# Altium PCB VC_NRF5340.PcbDoc (part 1 of 2) (continued)
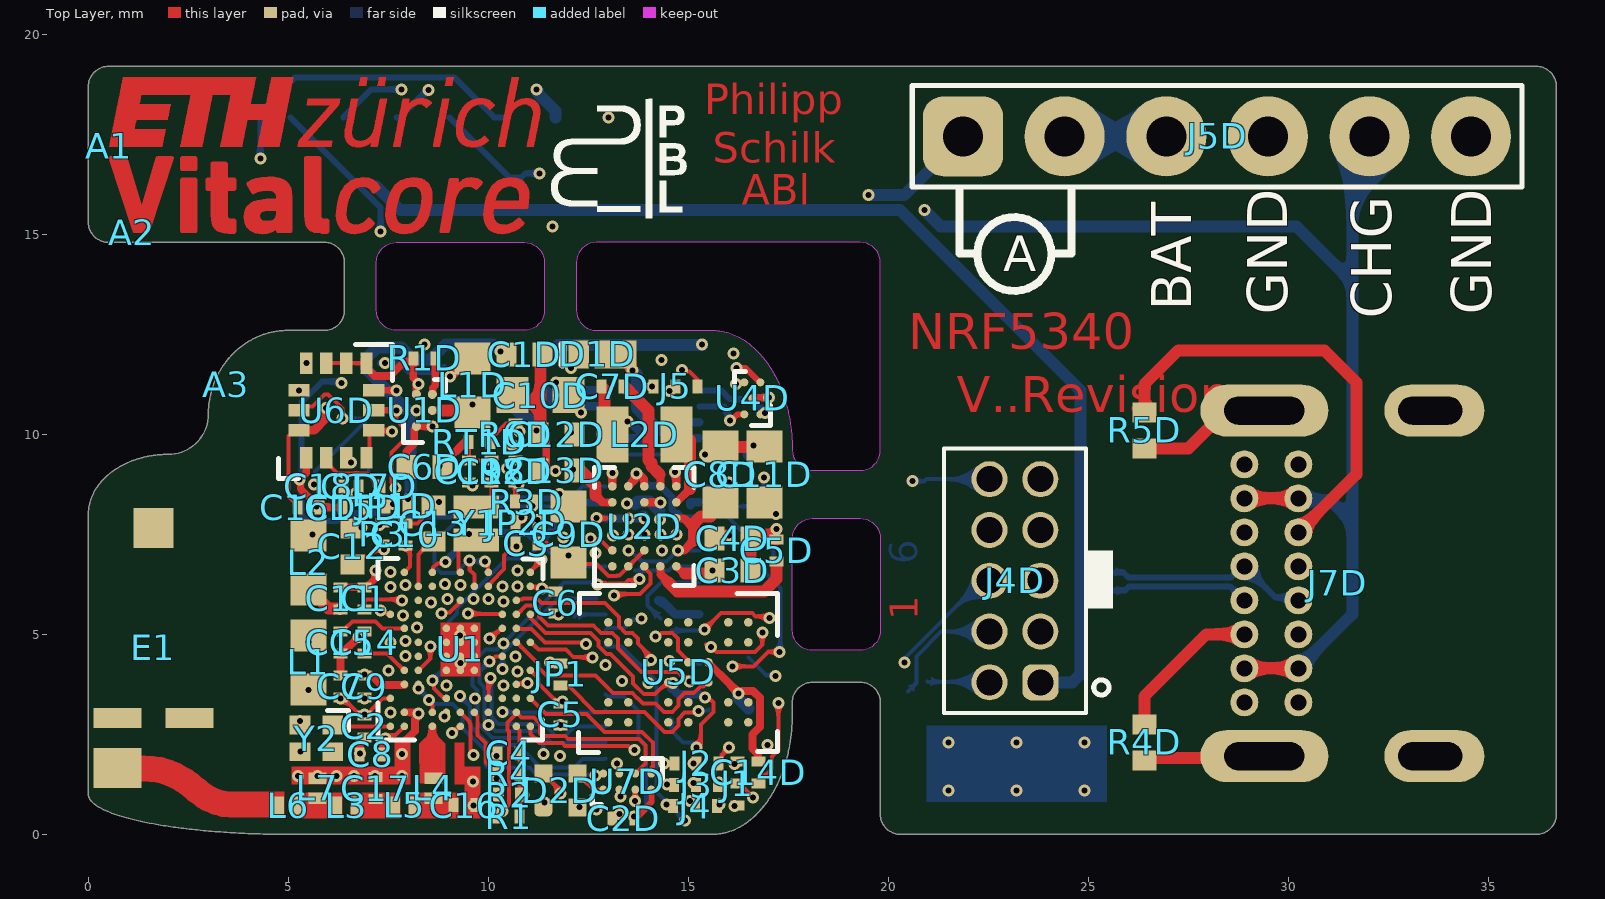
[diagram p0: Top Layer view]
## Footprints (in the part's own frame and the unit in brackets; to place one, negate y for a bottom-side part, rotate by r counter-clockwise, add the part's x,y. Pads: shape width x height; smd on the part's side, far side on the other; paste and mask are expansions set on the pad)
CAP_0201 [mm]
  rect 0.25x0.35 smd: 1(-0.275,0) 2(0.275,0)
  body extent -0.3,-0.15 0.3,0.15, height 0.3
CAP_0201_DNP [mm]
  rect 0.25x0.35 smd: 1(-0.275,0) 2(0.275,0)
  body extent -0.3,-0.15 0.3,0.15, height 0.3
CAP_0402 [mm] "Chip Capacitor, 2-Leads, Body 1.02x0.51mm, IPC Medium Density"
  rect 0.5x0.6 smd: 1(-0.45,0) 2(0.45,0)
  body extent -0.5,-0.26 0.5,0.26, height 0.52
CAP_0603 [mm] "Chip Capacitor, 2-Leads, Body 1.60x0.80mm, IPC Medium Density"
  rect 0.8x0.9 smd: 1(-0.7,0) 2(0.7,0)
  body extent -0.8,-0.42 0.8,0.4, height 0.82
CONN_COMBI_50P [mm] "50Pin 0.4mm pitch connector footprint that accepts (male) connectors intended for different stacking heights:  Hirose - DF40C-50DP-0.4V(51) for 1.5mm - 3mm stacking height , JAE - WP7B-P050VA1-R8000 - for 0.7mm stacking height"
  rect 1.035x0.22 smd: 1(1.175,4.8) 2(1.175,4.4) 3(1.175,4) 4(1.175,3.6) 5(1.175,3.2) 6(1.175,2.8) 7(1.175,2.4) 8(1.175,2) 9(1.175,1.6) 10(1.175,1.2) 11(1.175,0.8) 12(1.175,0.4) 13(1.175,0) 14(1.175,-0.4) 15(1.175,-0.8) 16(1.175,-1.2) 17(1.175,-1.6) 18(1.175,-2) 19(1.175,-2.4) 20(1.175,-2.8) 21(1.175,-3.2) 22(1.175,-3.6) 23(1.175,-4) 24(1.175,-4.4) 25(1.175,-4.8) 26(-1.175,-4.8) 27(-1.175,-4.4) 28(-1.175,-4) 29(-1.175,-3.6) 30(-1.175,-3.2) 31(-1.175,-2.8) 32(-1.175,-2.4) 33(-1.175,-2) 34(-1.175,-1.6) 35(-1.175,-1.2) 36(-1.175,-0.8) 37(-1.175,-0.4) 38(-1.175,0) 39(-1.175,0.4) 40(-1.175,0.8) 41(-1.175,1.2) 42(-1.175,1.6) 43(-1.175,2) 44(-1.175,2.4) 45(-1.175,2.8) 46(-1.175,3.2) 47(-1.175,3.6) 48(-1.175,4) 49(-1.175,4.4) 50(-1.175,4.8)
  rect 0.65x0.35 smd: 56(-1.375,-5.275) 56(-1.375,5.275) 56(1.325,-5.275) 56(1.325,5.275)
  body extent -1.49,-5.74 1.48,5.78, height 1.14
CONN_PINHEADER_6PIN [mm]
  rrect50% 2x2 hole 1: 1(0,0)
  round 2 hole 1: 2(0,-2.54) 3(0,-5.08) 4(0,-7.62) 5(0,-10.16) 6(0,-12.7)
  silkscreen extent -1.27,-13.97 1.27,1.27, body extent -1.27,-13.97 1.27,1.27, height 9.04
CONN_SWD [mm]
  rrect50% 0.9x0.9 hole 0.65: 1(0,0)
  round 0.9 hole 0.65: 2(1.27,0) 3(0,-1.27) 4(1.27,-1.27) 5(0,-2.54) 6(1.27,-2.54) 7(0,-3.81) 8(1.27,-3.81) 9(0,-5.08) 10(1.27,-5.08)
  silkscreen extent -1.82,-5.84 2.41,0.76, body extent -1.06,-5.71 2.33,0.64, height 4.25
CONN_SWD_PADS_P1.27mm [mm]
  rrect50% 0.9x0.9 smd paste-2539.97: 1(0,0)
  round 0.9 smd paste-2539.97: 2(1.27,0) 3(2.54,0) 4(3.81,0) 5(5.08,0) 6(6.35,0)
CONN_USBC_2137160001 [mm] "USB 2.0 Type C connector"
  oval 1.3x3.2 hole 0.7 slot 2 at 90 deg mask+0: 0(0,0) 0(8.64,0)
  oval 1.3x2.5 hole 0.7 slot 1.6 at 90 deg copper offset 0,-0.1 mask+0: 0(0,-4.15) 0(8.64,-4.15)
  round 0.7 hole 0.4 mask+0: A1(1.345,0.5) A4(2.195,0.5) A5(3.045,0.5) A6(3.895,0.5) A7(4.745,0.5) A8(5.595,0.5) A9(6.445,0.5) A12(7.295,0.5) B1(7.295,-0.85) B4(6.445,-0.85) B5(5.595,-0.85) B6(4.745,-0.85) B7(3.895,-0.85) B8(3.045,-0.85) B9(2.195,-0.85) B12(1.345,-0.85)
  body extent -0.5,-7.55 9.15,1.42, height 3.38
DSN2_ONSemi [mm]
  rect 0.52x0.7 smd paste+0 mask+0: 1(-0.64,0)
  rect 1.05x0.7 smd paste+0 mask+0: 2(0.275,0)
  silkscreen extent -1.05,-0.25 -1.05,0.25, body extent -0.84,-0.41 0.74,0.41, height 0.31
IND_0201_MURATA_LQW03AW [mm] "0201 Inductor"
  rect 0.28x0.45 smd: 1(-0.25,0) 2(0.25,0)
  body extent -0.27,-0.2 0.27,0.2, height 0.45
IND_0603 [mm] "0603 Inductor"
  rect 0.8x0.9 smd: 1(-0.675,0) 2(0.675,0)
  body extent -0.8,-0.41 0.8,0.41, height 0.82
IND_0805_DFE201210S [mm] "0805 Inductor"
  rect 0.8x1.4 smd: 1(-0.8,0) 2(0.8,0)
  body extent -1,-0.64 1,0.64, height 1.02
JMP_0201 [mm] "0201 Jumper"
  rect 0.25x0.35 smd: 1(-0.275,0) 2(0.275,0)
  body extent -0.3,-0.15 0.3,0.15, height 0.22
JMP_0201_3WAY [mm] "Jumper 3 pins 0201x2"
  rect 0.25x0.35 smd: 1(-0.55,0) 2(0,0) 3(0.55,0)
  body extent -0.57,-0.15 0.57,0.15, height 0.22
LGA-14_STM [mil] "LG1-14 package of STM comatible with various components"
  rect 21x12 smd: 1(-46.5,29.53) 2(-46.5,9.84) 3(-46.5,-9.85) 4(-46.5,-29.54) 8(46.5,-29.54) 9(46.5,-9.85) 10(46.5,9.84) 11(46.5,29.53)
  rect 12x21 smd: 5(-19.69,-36.74) 6(0,-36.74) 7(19.69,-36.74) 12(19.69,36.74) 13(0,36.74) 14(-19.69,36.74)
  silkscreen extent -65,-57 67,55, body extent -61,-51 61,51, height 55
LOGO_ETHZ_2MM [mm] "Logo ETH Zurich"
  Top Layer region: 451 vertices and 0 holes, not listed, extent 9.717,-0.006 10.771,1.725
  Top Layer region: 483 vertices and 0 holes, not listed, extent 4.707,-0.006 5.769,1.184
  Top Layer region: 513 vertices and 0 holes, not listed, extent 8.669,-0.021 9.631,1.198
  Top Layer region: 8.149,0.279 8.149,0.314 8.156,0.314 8.156,0.35 8.163,0.35 8.163,0.386 8.17,0.386 8.17,0.421 8.178,0.421 8.178,0.457 8.185,0.457 8.185,0.492 8.192,0.492 8.192,0.528 8.199,0.528 8.199,0.564 8.206,0.564 8.206,0.599 8.213,0.599 8.213,0.635 8.22,0.635 8.22,0.671 8.227,0.671 8.227,0.706 8.235,0.706 8.235,0.742 8.242,0.742 8.242,0.777 8.249,0.777 8.249,0.813 8.256,0.813 8.256,0.849 8.263,0.849 8.263,0.884 8.27,0.884 8.27,0.92 8.277,0.92 8.277,0.956 8.284,0.956 8.284,0.991 8.292,0.991 8.292,1.027 8.299,1.027 8.299,1.062 8.306,1.062 8.306,1.098 8.313,1.098 8.313,1.134 8.32,1.134 8.32,1.169 8.327,1.169 8.327,1.184 8.498,1.184 8.498,1.169 8.491,1.169 8.491,1.134 8.484,1.134 8.484,1.098 8.477,1.098 8.477,1.062 8.47,1.062 8.47,1.027 8.463,1.027 8.463,0.991 8.456,0.991 8.456,0.956 8.448,0.956 8.448,0.913 8.441,0.913 8.441,0.877 8.434,0.877 8.434,0.842 8.427,0.842 8.427,0.806 8.42,0.806 8.42,0.77 8.413,0.77 8.413,0.735 8.406,0.735 8.406,0.699 8.399,0.699 8.399,0.663 8.391,0.663 8.391,0.628 8.384,0.628 8.384,0.592 8.377,0.592 8.377,0.557 8.37,0.557 8.37,0.521 8.363,0.521 8.363,0.485 8.356,0.485 8.356,0.45 8.349,0.45 8.349,0.414 8.342,0.414 8.342,0.378 8.334,0.378 8.334,0.343 8.327,0.343 8.327,0.307 8.32,0.307 8.32,0.271 8.313,0.271 8.313,0.236 8.306,0.236 8.306,0.2 8.299,0.2 8.299,0.165 8.292,0.165 8.292,0.129 8.284,0.129 8.284,0.093 8.277,0.093 8.277,0.058 8.27,0.058 8.27,0.022 8.263,0.022 8.263,-0.006 8.092,-0.006 8.092,0.029 8.099,0.029 8.099,0.065 8.106,0.065 8.106,0.1 8.113,0.1 8.113,0.136 8.121,0.136 8.121,0.172 8.128,0.172 8.128,0.207 8.135,0.207 8.135,0.243 8.142,0.243 8.142,0.279
  Top Layer region: 305 vertices and 0 holes, not listed, extent 7.095,-0.006 8.064,1.198
  Top Layer region: 393 vertices and 0 holes, not listed, extent 5.883,-0.021 6.945,1.184
  Top Layer region: 6.254,1.561 6.254,1.597 6.261,1.597 6.261,1.632 6.268,1.632 6.268,1.668 6.275,1.668 6.275,1.704 6.282,1.704 6.282,1.725 6.453,1.725 6.453,1.689 6.446,1.689 6.446,1.654 6.439,1.654 6.439,1.618 6.432,1.618 6.432,1.583 6.425,1.583 6.425,1.547 6.418,1.547 6.418,1.511 6.239,1.511 6.239,1.526 6.247,1.526 6.247,1.561
  Top Layer region: 6.824,1.511 6.703,1.511 6.703,1.526 6.71,1.526 6.71,1.561 6.717,1.561 6.717,1.597 6.724,1.597 6.724,1.632 6.731,1.632 6.731,1.668 6.738,1.668 6.738,1.704 6.745,1.704 6.745,1.725 6.916,1.725 6.916,1.689 6.909,1.689 6.909,1.654 6.902,1.654 6.902,1.618 6.895,1.618 6.895,1.583 6.888,1.583 6.888,1.547 6.881,1.547 6.881,1.511 6.831,1.511
  Top Layer region: 8.448,1.511 8.391,1.511 8.391,1.526 8.399,1.526 8.399,1.561 8.406,1.561 8.406,1.597 8.413,1.597 8.413,1.632 8.42,1.632 8.42,1.668 8.427,1.668 8.427,1.704 8.434,1.704 8.434,1.725 8.605,1.725 8.605,1.689 8.598,1.689 8.598,1.654 8.591,1.654 8.591,1.618 8.584,1.618 8.584,1.583 8.577,1.583 8.577,1.547 8.57,1.547 8.57,1.511 8.456,1.511
  Top Layer region: 665 vertices and 0 holes, not listed, extent -0.002,-0.006 4.601,1.725
  Top Layer region: 665 vertices and 0 holes, not listed, extent -0.002,-0.006 4.601,1.725
LOGO_VITALCORE_2MM [mm]
  Top Layer region: 0.031,0.009 -0.575,1.875 -0.153,1.877 0.232,0.627 0.613,1.881 1.019,1.875 0.405,0.009 0.037,0.014
  Top Layer region: 1.225,1.875 1.225,1.575 1.6,1.575 1.6,1.875
  Top Layer region: 1.225,1.35 1.218,0.022 1.602,0.014 1.602,1.339
  Top Layer region: 2,1.725 2.35,1.725 2.375,1.35 2.575,1.35 2.575,1.05 2.375,1.05 2.35,0.575 2.375,0.4 2.4,0.325 2.55,0.325 2.575,0.3 2.575,0 2.5,-0.025 2.35,0 2.125,0.05 2,0.2 1.975,0.425 1.975,0.675 1.967,1.062 1.85,1.05 1.85,1.325 2,1.35 1.975,1.725 2.025,1.75
  Top Layer region: 2.875,1.225 3.027,0.959 3.142,1.046 3.38,1.048 3.551,1.033 3.597,0.968 3.619,0.832 3.625,0.825 3.625,0.025 3.975,0.025 3.975,0.925 3.95,1.125 3.825,1.275 3.625,1.35 3.45,1.375 3.225,1.375 3.025,1.325
  Top Layer region: 3.625,0.825 3.275,0.825 3.05,0.775 2.875,0.65 2.8,0.425 2.825,0.225 2.95,0.05 3.225,-0.025 3.45,0 3.625,0.125 3.625,0.4 3.55,0.325 3.45,0.275 3.275,0.275 3.175,0.35 3.175,0.45 3.225,0.525 3.35,0.55 3.625,0.55
  Top Layer region: 4.698,0.394 4.698,1.868 4.325,1.868 4.325,0.275 4.375,0.15 4.475,0.05 4.6,0 4.9,0 4.9,0.3 4.756,0.336
  Top Layer region: 6.018,0.989 6.186,1.111 6.024,1.308 5.765,1.378 5.56,1.33 5.366,1.21 5.19,0.906 5.107,0.57 5.131,0.259 5.248,0.069 5.36,-0.008 5.614,-0.024 5.843,0.035 6.01,0.187 6.048,0.243 5.925,0.352 5.789,0.253 5.611,0.173 5.427,0.216 5.344,0.349 5.352,0.688 5.416,0.946 5.603,1.14 5.779,1.154 5.899,1.148 5.978,1.063 6.025,1
  Top Layer region: 6.95,1.35 6.675,1.275 6.45,1 6.35,0.575 6.375,0.25 6.475,0.075 6.65,0 6.825,-0.025 7.025,0 7.3,0.2 7.475,0.65 7.475,1.025 7.4,1.225 7.2,1.35 6.95,1.35 6.95,1.15 7.025,1.15 7.15,1.125 7.25,0.975 7.225,0.625 7.1,0.3 6.95,0.2 6.75,0.2 6.625,0.25 6.575,0.5 6.6,0.75 6.725,1.025 6.875,1.125 6.95,1.15
  Top Layer region: 8.146,1.327 7.934,1.327 7.703,0.024 7.906,-0.001 8.102,0.934 8.227,1.115 8.352,1.165 8.489,1.149 8.598,1.081 8.745,1.252 8.617,1.336 8.436,1.365 8.315,1.308 8.152,1.218 8.131,1.174 8.15,1.325
  Top Layer region: 9.675,0.35 9.5,0.225 9.3,0.175 9.125,0.2 9.025,0.35 9,0.525 9.025,0.6 9.05,0.6 9.05,0.775 9.125,1 9.25,1.125 9.425,1.175 9.6,1.125 9.675,1 9.7,0.875 9.7,0.775 9.05,0.775 9.05,0.6 9.85,0.6 9.9,0.725 9.925,0.95 9.875,1.15 9.625,1.35 9.4,1.375 9.075,1.225 8.85,0.9 8.8,0.45 8.85,0.15 8.975,0.025 9.15,-0.025 9.35,0 9.5,0.025 9.775,0.175 9.775,0.25
  Top Layer lines w0.05: 3.364,0.266 3.28,0.274 3.22,0.301 3.183,0.345 3.171,0.406 3.185,0.474 3.229,0.522 3.302,0.549 3.408,0.558 3.596,0.558 3.613,0.542 3.613,0.451 3.597,0.369 3.55,0.312 3.473,0.277 3.364,0.266 ; 3.364,0.266 3.364,0.266 ; 5.553,-0.024 5.453,-0.016 5.365,0.007 5.289,0.045 5.225,0.097 5.175,0.162 5.138,0.24 5.116,0.33 5.109,0.431 5.139,0.714 5.177,0.871 5.233,1.016 5.329,1.164 5.455,1.271 5.608,1.337 5.785,1.359 5.918,1.343 6.028,1.297 6.115,1.223 6.177,1.121 6.179,1.1 6.166,1.083 6.047,0.997 6.026,0.993 6.008,1.005 5.964,1.074 5.91,1.122 5.845,1.151 5.763,1.16 5.666,1.146 5.577,1.104 5.5,1.035 5.437,0.942 5.392,0.823 5.359,0.691 5.332,0.47 5.347,0.345 5.393,0.253 5.472,0.197 5.586,0.177 5.667,0.186 5.745,0.215 5.821,0.263 5.895,0.335 5.913,0.347 5.931,0.34 6.031,0.238 6.039,0.22 6.031,0.199 5.936,0.105 5.824,0.035 5.695,-0.009 5.553,-0.024 ; 5.553,-0.024 5.553,-0.024 ; 9.253,-0.024 9.253,-0.024 ; 9.253,-0.024 9.147,-0.016 9.055,0.007 8.976,0.045 8.911,0.098 8.86,0.164 8.824,0.244 8.802,0.336 8.795,0.44 8.824,0.73 8.86,0.879 8.911,1.011 9.004,1.158 9.128,1.268 9.283,1.335 9.468,1.359 9.56,1.352 9.645,1.33 9.72,1.294 9.784,1.245 9.837,1.181 9.877,1.104 9.901,1.013 9.91,0.909 9.877,0.63 9.866,0.61 9.844,0.602 9.035,0.602 9.016,0.586 9.007,0.473 9.025,0.342 9.078,0.249 9.166,0.195 9.289,0.177 9.393,0.189 9.489,0.223 9.575,0.273 9.648,0.335 9.671,0.344 9.689,0.337 9.775,0.241 9.783,0.221 9.772,0.199 9.669,0.111 9.547,0.04 9.407,-0.007 9.253,-0.024 ; -0.568,1.853 0.028,0.034 0.041,0.014 0.064,0.006 0.385,0.006 0.405,0.014 0.418,0.034 1.014,1.853 1.011,1.875 0.992,1.883 0.636,1.883 0.613,1.877 0.6,1.856 0.235,0.624 0.227,0.624 -0.148,1.856 -0.161,1.877 -0.184,1.883 -0.543,1.883 -0.565,1.875 -0.568,1.853 ; 1.217,0.034 1.217,1.315 1.224,1.335 1.244,1.342 1.576,1.342 1.596,1.335 1.603,1.315 1.603,0.034 1.596,0.014 1.576,0.006 1.244,0.006 1.224,0.014 1.217,0.034 ; 1.217,1.582 1.217,1.856 1.224,1.876 1.244,1.883 1.576,1.883 1.596,1.876 1.603,1.856 1.603,1.582 1.596,1.562 1.576,1.555 1.244,1.555 1.224,1.562 1.217,1.582 ; 1.85,1.085 1.85,1.315 1.858,1.335 1.878,1.342 1.961,1.342 1.977,1.359 1.977,1.718 1.985,1.738 2.005,1.745 2.333,1.745 2.353,1.738 2.361,1.718 2.361,1.359 2.377,1.342 2.548,1.342 2.569,1.335 2.576,1.315 2.576,1.085 2.569,1.065 2.548,1.058 2.377,1.058 2.361,1.041 2.361,0.451 2.367,0.388 2.388,0.347 2.426,0.325 2.482,0.318 2.548,0.318 2.569,0.31 2.576,0.29 2.576,0.017 2.569,-0.003 2.548,-0.01 2.402,-0.01 2.295,-0.004 2.205,0.016 2.132,0.049 2.074,0.097 2.03,0.159 2,0.235 1.977,0.434 1.977,1.041 1.961,1.058 1.878,1.058 1.858,1.065 1.85,1.085 ; 2.804,0.384 2.813,0.285 2.84,0.201 2.882,0.13 2.937,0.073 3.003,0.03 3.079,0 3.248,-0.024 3.373,-0.014 3.474,0.016 3.554,0.062 3.615,0.122 3.618,0.122 3.618,0.034 3.626,0.014 3.646,0.006 3.952,0.006 3.972,0.014 3.98,0.034 3.98,0.889 3.972,1.006 3.948,1.106 3.907,1.189 3.846,1.256 3.766,1.308 3.663,1.344 3.537,1.366 3.386,1.373 3.231,1.363 3.097,1.336 2.984,1.295 2.889,1.24 2.877,1.224 2.881,1.201 3.005,0.983 3.021,0.971 3.041,0.978 3.163,1.038 3.339,1.063 3.472,1.052 3.556,1.019 3.6,0.962 3.613,0.881 3.613,0.832 3.596,0.815 3.359,0.815 3.132,0.789 3.037,0.757 2.957,0.71 2.892,0.65 2.844,0.576 2.814,0.488 2.804,0.384 ; 4.312,0.415 4.335,0.224 4.365,0.15 4.409,0.091 4.465,0.046 4.537,0.014 4.726,-0.01 4.873,-0.01 4.893,-0.003 4.9,0.017 4.9,0.29 4.893,0.31 4.873,0.318 4.815,0.318 4.763,0.325 4.727,0.347 4.706,0.387 4.699,0.445 4.699,1.856 4.691,1.876 4.671,1.883 4.34,1.883 4.32,1.876 4.312,1.856 4.312,0.415 ; 6.346,0.431 6.354,0.33 6.376,0.24 6.413,0.162 6.464,0.097 6.528,0.045 6.605,0.007 6.695,-0.016 6.796,-0.024 6.974,-0.005 7.127,0.056 7.254,0.161 7.354,0.313 7.403,0.439 7.445,0.595 7.473,0.757 7.484,0.906 7.476,1.006 7.453,1.096 7.416,1.173 7.365,1.238 7.301,1.29 7.224,1.328 7.135,1.351 7.034,1.359 6.855,1.339 6.702,1.278 6.574,1.174 6.473,1.022 6.425,0.896 6.384,0.741 6.357,0.579 6.346,0.431 ; 6.57,0.467 6.585,0.344 6.63,0.253 6.71,0.197 6.827,0.177 6.93,0.191 7.019,0.232 7.094,0.3 7.155,0.393 7.225,0.623 7.257,0.87 7.243,0.992 7.198,1.083 7.119,1.14 7.001,1.16 6.898,1.146 6.81,1.105 6.736,1.037 6.675,0.942 6.603,0.713 6.57,0.467 ; 7.7,0.034 7.706,0.014 7.725,0.006 7.891,0.006 7.91,0.014 7.918,0.034 8.048,0.76 8.092,0.919 8.164,1.046 8.264,1.13 8.325,1.152 8.393,1.16 8.496,1.141 8.578,1.094 8.599,1.088 8.617,1.099 8.73,1.221 8.737,1.241 8.73,1.259 8.684,1.301 8.627,1.332 8.484,1.359 8.37,1.344 8.27,1.304 8.186,1.241 8.12,1.16 8.117,1.16 8.145,1.301 8.141,1.321 8.123,1.328 7.954,1.328 7.934,1.321 7.924,1.301 7.7,0.034 ; 9.057,0.793 9.068,0.776 9.664,0.776 9.686,0.793 9.697,0.903 9.681,1.019 9.631,1.101 9.551,1.149 9.441,1.166 9.338,1.152 9.246,1.112 9.169,1.047 9.109,0.956 9.057,0.793
LOGO_VITALCORE_ETHZ_1.3MM_MASK [mm]
NN03-320 [mm]
  rect 1x1.2 smd: 1(-6.5,-0.6)
  rect 0.5x1.2 smd: 2(-5.25,-0.6) 3(-5.25,-2.4)
  rect 1x1 smd: 4(-0.5,-1.5)
  body extent -7,-3 0,0, height 2.01
NRF5340_WLCSP [mm]
  round 0.19 smd paste+0 mask+0: A1(-1.925,1.75) A2(-1.575,1.75) A3(-1.225,1.75) A5(-0.525,1.75) A7(0.175,1.75) A9(0.875,1.75) A11(1.575,1.75) A12(1.925,1.75) B1(-1.925,1.4) B2(-1.575,1.4) B4(-0.875,1.4) B5(-0.525,1.4) B6(-0.175,1.4) B7(0.175,1.4) B8(0.525,1.4) B9(0.875,1.4) B10(1.225,1.4) B11(1.575,1.4) B12(1.925,1.4) C2(-1.575,1.05) C4(-0.875,1.05) C5(-0.525,1.05) C6(-0.175,1.05) C7(0.175,1.05) C8(0.525,1.05) C9(0.875,1.05) C10(1.225,1.05) C11(1.575,1.05) D1(-1.925,0.7) D2(-1.575,0.7) D10(1.225,0.7) D11(1.575,0.7) D12(1.925,0.7) E2(-1.575,0.35) E3(-1.225,0.35) E4(-0.875,0.35) E5(-0.525,0.35) E6(-0.175,0.35) E7(0.175,0.35) E8(0.525,0.35) E10(1.225,0.35) E11(1.575,0.35) F1(-1.925,0) F2(-1.575,0) F3(-1.225,0) F5(-0.525,0) F6(-0.175,0) F7(0.175,0) F8(0.525,0) F10(1.225,0) F11(1.575,0) F12(1.925,0) G2(-1.575,-0.35) G3(-1.225,-0.35) G5(-0.525,-0.35) G6(-0.175,-0.35) G7(0.175,-0.35) G8(0.525,-0.35) G10(1.225,-0.35) G11(1.575,-0.35) H1(-1.925,-0.7) H2(-1.575,-0.7) H3(-1.225,-0.7) H10(1.225,-0.7) H11(1.575,-0.7) H12(1.925,-0.7) J2(-1.575,-1.05) J3(-1.225,-1.05) J4(-0.875,-1.05) J5(-0.525,-1.05) J6(-0.175,-1.05) J7(0.175,-1.05) J8(0.525,-1.05) J9(0.875,-1.05) J10(1.225,-1.05) J11(1.575,-1.05) K1(-1.925,-1.4) K2(-1.575,-1.4) K3(-1.225,-1.4) K4(-0.875,-1.4) K5(-0.525,-1.4) K6(-0.175,-1.4) K7(0.175,-1.4) K8(0.525,-1.4) K9(0.875,-1.4) K10(1.225,-1.4) K11(1.575,-1.4) K12(1.925,-1.4) L1(-1.925,-1.75) L3(-1.225,-1.75) L5(-0.525,-1.75) L7(0.175,-1.75) L9(0.875,-1.75) L11(1.575,-1.75) L12(1.925,-1.75)
  silkscreen extent -2.27,-2.07 2.27,2.06, body extent -2.18,-1.98 2.18,1.98, height 0.5
PADSMD_ROUND [mm] "Small SMD Pad"
  round 0.9 smd: 0(0,0)
RES_0201 [mm] "Chip Resistor, 2-Leads, Body 0.60x0.30mm, IPC Medium Density"
  rect 0.25x0.35 smd: 1(-0.275,0) 2(0.275,0)
  body extent -0.3,-0.15 0.3,0.15, height 0.22
RES_0201_DNF [mm] "Chip Resistor, 2-Leads, Body 0.60x0.30mm, IPC Medium Density"
  rect 0.25x0.35 smd: 1(-0.275,0) 2(0.275,0)
  body extent -0.3,-0.15 0.3,0.15, height 0.22
RES_0402 [mm]
  rect 0.5x0.6 smd: 1(-0.45,0) 2(0.45,0)
  body extent -0.5,-0.26 0.5,0.26, height 0.56
SML-LX0404SIUPGUSB [mm]
  rrect50% 0.45x0.45 smd: 1(-0.425,0.425)
  rect 0.45x0.45 smd: 2(0.425,0.425) 3(0.425,-0.425) 4(-0.425,-0.425)
  body extent -0.5,-0.5 0.5,0.5, height 0.25
THIN_WLP_6_MAX38640 [mm]
  round 0.229 smd paste+0 mask+0: A1(-0.4,0.2) A2(0,0.2) A3(0.4,0.2) B1(-0.4,-0.2) B2(0,-0.2) B3(0.4,-0.2)
  silkscreen extent -0.8,-0.52 0.78,0.53, body extent -0.73,-0.46 0.71,0.46, height 0.5
WLCSP_5_2-1-2_P0.4 [mm]
  round 0.2 smd paste+0 mask+0: A1(-0.4,-0.2) A2(-0.4,0.2) B1(0,0) C1(0.4,-0.2) C2(0.4,0.2)
  silkscreen extent -0.68,-0.45 0.68,0.45, body extent -0.6,-0.38 0.6,0.38, height 0.57
WLCSP_8_P0.4 [mm]
  round 0.2 smd mask+0: A1(0,0) A2(0.4,0) B1(0,-0.4) B2(0.4,-0.4) C1(0,-0.8) C2(0.4,-0.8) D1(0,-1.2) D2(0.4,-1.2)
  silkscreen extent -0.38,-1.48 0.77,0.28, body extent -0.3,-1.4 0.7,0.2, height 0.41
WLCSP_32_W25Q256JWYIM [mm]
  round 0.22 smd mask+0: A1(0,0) A2(0.5,0) A5(2,0) A6(2.5,0) B1(0,-0.5) B2(0.5,-0.5) B5(2,-0.5) B6(2.5,-0.5) C3(1,-1) C4(1.5,-1) D1(0,-1.5) D2(0.5,-1.5) D3(1,-1.5) D4(1.5,-1.5) D5(2,-1.5) D6(2.5,-1.5) E1(0,-2) E2(0.5,-2) E3(1,-2) E4(1.5,-2) E5(2,-2) E6(2.5,-2) F3(1,-2.5) F4(1.5,-2.5) G1(0,-3) G2(0.5,-3) G5(2,-3) G6(2.5,-3) H1(0,-3.5) H2(0.5,-3.5) H5(2,-3.5) H6(2.5,-3.5)
  silkscreen extent -0.72,-4.24 3.25,0.73, body extent -0.66,-4.16 3.16,0.66, height 0.54
WLP_30_MAX77654 [mm]
  round 0.22 smd paste+0 mask+0: A1(0,0) A2(0.4,0) A3(0.8,0) A4(1.2,0) A5(1.6,0) A6(2,0) B1(0,-0.4) B2(0.4,-0.4) B3(0.8,-0.4) B4(1.2,-0.4) B5(1.6,-0.4) B6(2,-0.4) C1(0,-0.8) C2(0.4,-0.8) C3(0.8,-0.8) C4(1.2,-0.8) C5(1.6,-0.8) C6(2,-0.8) D1(0,-1.2) D2(0.4,-1.2) D3(0.8,-1.2) D4(1.2,-1.2) D5(1.6,-1.2) D6(2,-1.2) E1(0,-1.6) E2(0.4,-1.6) E3(0.8,-1.6) E4(1.2,-1.6) E5(1.6,-1.6) E6(2,-1.6)
  silkscreen extent -0.47,-2.04 2.48,0.45, body extent -0.4,-1.97 2.4,0.37, height 0.51
Y_ECX-1048 [mm]
  rect 0.52x0.47 smd: 1(-0.41,-0.335) 2(0.41,-0.335) 3(0.41,0.335) 4(-0.41,0.335)
  silkscreen extent -0.8,-0.7 -0.28,-0.2, body extent -0.6,-0.5 0.6,0.5, height 0.3
Y_ECX-1210 [mm]
  rect 0.575x1.14 smd paste+0 mask+0: 1(-0.413,0) 2(0.413,0)
  body extent -0.8,-0.67 0.8,0.67, height 0.25

## Part data
A1: library part LOGO_ETHZ
A2: library part LOGO_VITALCORE
A3: library part LOGO_VITALCORE_ETH
C1 C2 C2D C3 C4 C5 C6 C14 C14D C15D C16D: library part CAP_0201_100n_10V, "CAP CER 0.1UF 10V X5R 0201", Manufacturer=Murata, Manufacturer Part Number=GRM033Z71A104KE14D, Supplier Part Number 1=81-GRM033Z71A104KE4D, Supplier 1=Mouser
C1D: library part CAP_0402_22u_6V3, "CAP CER 22UF 6.3V X5R 0402", Manufacturer="Kyocera AVX", Manufacturer Part Number=CM05X5R226M06AH080, Supplier Part Number 1=346-CM05X5R226M6AH80, Supplier 1=Mouser
C3D C4D C12 C12D C13 C13D: library part CAP_0402_4.7u_16V, "CAP CER 4.7UF 16V X5R 0402", Manufacturer="Kyocera AVX", Manufacturer Part Number=0402YD475MAT2A, Supplier Part Number 1=581-0402YD475MAT2A, Supplier 1=Mouser
C5D C7 C8 C10 C11 C15: library part CAP_0201_1u_10V, "CAP CER 1UF 10V X6S", Manufacturer=Murata, Manufacturer Part Number=GRM033C81A105ME05D, Supplier Part Number 1=81-GRM033C81A105ME5D, Supplier 1=Mouser
C6D: library part CAP_0402_10u_10V, "CAP CER 10UF 10V X5R 0402", Manufacturer=Samsung, Manufacturer Part Number=CL05A106MP5NUNC, Supplier Part Number 1=187-CL05A106MP5NUNC, Supplier 1=Mouser
C7D: library part CAP_0201_3.3n_16V, "CAP CER 3.3NF 16V X7R 0201", Manufacturer=Murata, Manufacturer Part Number=GRM033R71C332KA88D, Supplier Part Number 1=81-GRM033R71C332KA88, Supplier 1=Mouser
C8D C9D C10D C11D: library part CAP_0603_22u_10V, "CAP CER 22UF 10V X7R 0603", Manufacturer=Murata, Manufacturer Part Number=GRM187R61A226ME15D, Supplier Part Number 1=81-GRM187R61A226ME5D, Supplier 1=Mouser
C9: library part CAP_0201_2.2n_16V, "CAP CER 2.2NF 16V X7R 0201", Manufacturer=Murata, Manufacturer Part Number=GRM033R71C222KA88D, Supplier Part Number 1=81-GRM033R71C222KA8D, Supplier 1=Mouser
C16: library part CAP_RF_0201_0.7pF, "CAP RF CER 0.7PF 25V C0G 0201", Manufacturer=Murata, Manufacturer Part Number=GJM0335C1ER70BB01D, Supplier Part Number 1=81-GJM0335C1ER70BB1D, Supplier 1=Mouser
C17 C18 C19: library part CAP_0201_DNP, "CAP CER DNP 0201"
C17D C18D: library part CAP_0201_110p_50V, "CAP CER 110PF 50V C0G 0201", Manufacturer=Murata, Manufacturer Part Number=GRM0335C1H111JA01D, Supplier Part Number 1=81-GRM0335C1H111JA1D, Supplier 1=Mouser
D1D: library part D_NSR20F30NXT5G, "Small Signal Schottky Diode, 30 V, 2 A", Manufacturer="ON Semiconductor", Supplier Part Number 1=863-NSR20F30NXT5G, Manufacturer Part Number=NSR20F30NXT5G, Supplier 1=Mouser
D2D: library part D_RGB_LED, "SML-LX0404SIUPGUSB RGB LED", Manufacturer=Lumex, Supplier Part Number 1=696-LX0404SIUPGUSB, Manufacturer Part Number=SML-LX0404SIUPGUSB, Supplier 1=Mouser
E1: "Integrated Chip Antenna", Manufacturer="Fractus Antennas", Supplier Part Number 1=128-NN03-320, Manufacturer Part Number=NN03-320, Supplier 1=Mouser
J1 J2 J3 J4 J5: library part JMP_0201_3WAY, "Solder Jumper 3 Pads", Manufacturer=Panasonic, Manufacturer Part Number=ERJ-1GN0R00C, Supplier Part Number 1=667-ERJ-1GN0R00C, Supplier 1=Mouser
J1D: library part CONN_SWD_PADS, "SWD Pogo Pads"
J2D: library part CONN_50P_M_COMBI_INTERFACE, "50Pin 0.4mm pitch connector footprint that accepts (male) connectors intended for different stacking heights: / Hirose - DF40C-50DP-0.4V(51) for 1.5mm - 3mm stacking height / JAE - WP7B-P050VA1-R8000 - for 0.7mm stacking height"
J3D J6D J8D J11D J12D J13D J14D J15D J16D J17D: library part PADSMD, "SMD Pad"
J4D: library part CONN_SWD, "ARM 10-pin SWD Connector.", Supplier Part Number 1=710-62201021121, Supplier 1=Mouser
J5D: library part CONN_PINHEADER_6PIN, "6 Pin Pinheader."
J7D: library part CONN_USB_C, "Connector USB Type C Receptacle 16 Position 0.5mm Surface Mount Right Angle Emboss T/R", Manufacturer=Molex, Manufacturer Part Number=213716-0001, Supplier Part Number 1=538-213716-0001, Supplier 1=Mouser
J9D J10D: "SMD Pad"
JP1 JP2D: library part JMP_0201_DNF, "JMP 0201 NO TRACE DNF"
JP1D: library part JMP_0201, "ERJ Series 0201 0 Ohm 0.05 W Jumper Surface Mount Thick Film Chip Resistor", Manufacturer=Panasonic, Manufacturer Part Number=ERJ-1GN0R00C, Supplier Part Number 1=667-ERJ-1GN0R00C, Supplier 1=Mouser
L1 L2: library part L_0603_10uH_300mA, "L 10uH 300mA 0603", Manufacturer=Murata, Manufacturer Part Number=LQM18DN100M70L, Supplier Part Number 1=81-LQM18DN100M70L, Supplier 1=Mouser
L1D: library part L_0603_2.2uH_520mA, "L 2.2uH 520mA 0603", Manufacturer="Taiyo Yuden", Manufacturer Part Number=MBKK1608T2R2M, Supplier Part Number 1=963-MBKK1608T2R2M, Supplier 1=Mouser
L2D: library part L_0805_1.5uH_2A, "L 1.5uH 2A 0805", Manufacturer=Murata, Manufacturer Part Number=DFE201210S-1R5M=P2, Supplier Part Number 1=81-DFE201210S-1R5MP2, Supplier 1=Mouser
L3 L6 L7: library part L_RF_0201_5.6nH, "L 5.6nH RF 0201", Manufacturer=Murata, Manufacturer Part Number=LQW03AW5N6J00D, Supplier Part Number 1=81-LQW03AW5N6J00D, Supplier 1=Mouser
L4 L5: library part L_RF_0201_2.2nH, "L 2.2nH RF 0201", Manufacturer=Murata, Manufacturer Part Number=LQP03HQ2N2B02D, Supplier Part Number 1=81-LQP03HQ2N2B02D, Supplier 1=Mouser
R1 R2: library part R_0201_2.2K, "R 2.2K 1% 50mW 0201", Manufacturer=Panasonic, Manufacturer Part Number=ERJ-1GNF2201C, Supplier Part Number 1=667-ERJ-1GNF2201C, Supplier 1=Mouser
R1D: library part R_0201_DNP, "R DNP 0201"
R2D R3D: library part R_0201_100K, "R 100K 1% 50mW 0201", Manufacturer=Panasonic, Manufacturer Part Number=ERJ-1GNF1003C, Supplier Part Number 1=667-ERJ-1GNF1003C, Supplier 1=Mouser
R3: library part R_0201_2.2R, "R 2.2R 1% 50mW 0201", Manufacturer=Yageo, Manufacturer Part Number=RC0201FR-072R2L, Supplier Part Number 1=603-RC0201FR-072R2L, Supplier 1=Mouser
R4 R6D: library part R_0201_10K, "R 10K 1% 50mW 0201", Manufacturer=Panasonic, Manufacturer Part Number=ERJ-1GNF1002C, Supplier Part Number 1=667-ERJ-1GNF1002C, Supplier 1=Mouser
R4D R5D: library part R_0402_5K1, "R 5120R 1% 100mW 0402", Manufacturer=Panasonic, Manufacturer Part Number=ERJ-2RKF5101X, Supplier Part Number 1=667-ERJ-2RKF5101X, Supplier 1=Mouser
RT1D: library part NTC_0201_10k, "NTC 10K 1% 0201 3380K", Manufacturer=Panasonic, Manufacturer Part Number=ERTJZEG103FA, Supplier Part Number 1=667-ERT-JZEG103FA, Supplier 1=Mouser
U1: "Multi-protocol Bluetooth Low Energy, IEEE 802.15.4, ANT and 2.4GHz proprietary system-on-chip", Manufacturer=Nordic, Manufacturer Part Number=NRF5340-CLAA-R7, Supplier Part Number 1=949-NRF5340-CLAA-R7, Supplier 1=Mouser
U1D: "Buck Switching Regulator IC Positive Fixed 1.8V 1 Output 175mA 6-WLP", Manufacturer=Maxim, Supplier Part Number 1=700-MAX38640BENT18T, Manufacturer Part Number=MAX38640BENT18+T, Supplier 1=Mouser
U2D: "Buck-Boost Converter With LDO Regulator 5-OUT 30-Pin WLP T/R", Manufacturer=Maxim, Supplier Part Number 1=700-MAX77654BENV+T, Manufacturer Part Number=MAX77654BENV+T, Supplier 1=Mouser
U4D: "ESD Suppressor Diode TVS Uni-Dir 5V 5-Pin WLCSP T/R", Manufacturer="NXP Semiconductors", Supplier Part Number 1=771-PESD1USB30Z, Manufacturer Part Number=PESD1USB30, Supplier 1=Mouser
U5D: "NOR-Flash spiFlash, 1.8V, 256M-bit, 4Kb Uniform Sector, DTR", Manufacturer=Winbond, Manufacturer Part Number="W25Q256JWYIM TR", Supplier Part Number 1=454-W25Q256JWYIMTR, Supplier 1=Mouser
U6D: "IMU ACCEL/GYRO I2C/SPI 14LGA", Manufacturer=STMicroelectronics, Supplier Part Number 1=511-LSM6DSV16BXTR, Manufacturer Part Number=LSM6DSV16BX, Supplier 1=Mouser
U7D: "LED Driver with Programmable Pattern Sequencing 3-Channel 40mA 8-Pin WCSP T/R", Manufacturer=ISSI, Manufacturer Part Number=IS31FL3194-CLS2-TR, Supplier Part Number 1=2521-IS31FL3194-CLS2-TRCT-ND, Supplier 1=Digi-Key
Y1: library part Y_ECS-327-9-1210, "Crystal 32.768KHZ 9PFSMD ECX-1210 Khz Crystal 32.768KHZ 20PPM 90K Ohm -40C ~ 85C 2-SMD", Manufacturer="ECS International", Manufacturer Part Number=ECS-.327-9-1210-TR, Supplier Part Number 1=520-.327-9-1210T, Supplier 1=Mouser
Y2: library part Y_ECS-320-7-48B-JTM-TR5, "Crystal 32MHz 7pF ±20ppm ±20ppm 4-Pin Ultraminiature CSMD T/R", Manufacturer="ECS International", Manufacturer Part Number=ECS-320-7-48B-JTM-TR5, Supplier Part Number 1=520-ECS320748BJTMTR5, Supplier 1=Mouser

## Via types
v1: diameter 0.3, hole 0.15, Top Layer to Bottom Layer, tented both sides, 160 vias
v2: diameter 0.3, hole 0.15, Top Layer to Int1 (Sign), tented both sides, 88 vias
v3: diameter 0.3, hole 0.15, Int4 (Sign) to Bottom Layer, tented both sides, 37 vias

## Nets (pads, with @x,y where several pads share a name; then routed paths per layer and width w, separated by ;. In a path a pad name is that pad's centre, name@x,y a point inside that pad or via, vN(x,y) a via of type N, cw(c..) or ccw(c..) an arc to the next point about the centre after c; other vN are vias at no path point)
AMUX: U1.G10 U2D.C1 | length 5.5
  Top Layer w0.1: v2(9.624,5.879) 9.624,5.876 U1.G10@9.65,5.85 ; v2(13.144,5.971) 13.182,6.009 13.79,6.009 14.053,6.272 14.053,6.514 13.9,6.668 U2D.C1@13.9,6.7
  Int1 (Sign) w0.1: v2(9.624,5.879) 9.624,5.864 10.061,5.427 11.02,5.427 11.565,5.972 13,5.972 13.002,5.971 v2(13.144,5.971)
C1: J2D.40 U1.F10 | length 9.7
  Top Layer w0.1: v1(8.833,5.527) 8.848,5.542 9.033,5.542 9.256,5.765 9.256,5.782 9.3,5.826 U1.F10@9.3,5.85
  Int4 (Sign) w0.1: v1(8.833,5.527) 9.099,5.527 9.485,5.912 9.485,6.306 9.634,6.455 9.634,6.94 10.338,7.644 10.888,7.644 10.953,7.578 11.366,7.578 11.512,7.725 12.341,7.725 12.4,7.666 12.4,6.922 12.562,6.76 12.791,6.76 13.008,6.976 v3(13.669,6.976)
  Bottom Layer w0.1: v3(13.669,6.976) 13.684,6.976 13.837,6.824 14.456,6.824 14.618,6.985 14.618,7.011 14.707,7.1 J2D.40@15.275,7.1
C2: J2D.39 U1.H10 | length 6.3
  Top Layer w0.1: U1.H10@10,5.85 v1(10,5.878)
  Int4 (Sign) w0.1: v1(10,5.878) 10,6.25 10.364,6.614 10.364,6.623 10.655,6.914 10.988,6.914 11.047,6.973 11.047,6.985 11.209,7.147 11.438,7.147 11.719,6.866 ; 11.719,6.865 12,6.584 13.653,6.584 v3(13.669,6.6)
  Bottom Layer w0.1: v3(13.669,6.6) 14.507,6.6 14.607,6.7 J2D.39@15.275,6.7
C3: J2D.38 U1.J10 | length 6.4
  Top Layer w0.1: U1.J10@10.35,5.85 v1(10.38,5.82)
  Int4 (Sign) w0.1: v1(10.38,5.82) 10.556,5.644 11.486,5.644 11.638,5.796 12.746,5.796 12.748,5.794 13.906,5.794 v3(14.3,5.4)
  Bottom Layer w0.1: v3(14.3,5.4) 13.978,5.722 13.978,5.961 14.317,6.3 J2D.38@15.275,6.3
C4: J2D.37 U1.L1 | length 8.8
  Top Layer w0.1: U1.L1@11.05,2.7 11.05,2.508 11.275,2.282 11.85,2.282 11.922,2.211 13.501,2.211 13.603,2.109 v1(13.657,2.109)
  Int4 (Sign) w0.1: v1(13.657,2.109) 13.712,2.109 13.905,2.301 15.413,2.301 15.797,2.685 15.797,3.303 15.034,4.066 15.034,5.585 14.984,5.635 v3(14.984,5.837)
C5: J2D.36 U1.J11 | length 5.3
  Top Layer w0.1: v1(10.35,6.195) U1.J11@10.35,6.2
  Int4 (Sign) w0.1: v1(10.35,6.195) 10.396,6.195 10.723,5.868 11.461,5.868 11.565,5.972 12.819,5.972 12.821,5.971 14.096,5.971 14.22,5.846 v3(14.254,5.846)
  Bottom Layer w0.22: v3(14.254,5.846) 14.269,5.831 14.345,5.831 14.676,5.5 J2D.36@15.275,5.5
C6: J2D.35 U1.K12 | length 5.7
  Int4 (Sign) w0.1: v1(10.733,6.601) 10.737,6.597 11.206,6.597 11.209,6.594 11.288,6.594 11.733,6.149 13.037,6.149 13.039,6.147 14.344,6.147 14.531,5.961 14.531,5.589 14.619,5.501 14.619,5.127 v3(14.581,5.089)
  Bottom Layer w0.1: v3(14.581,5.089) 14.586,5.094 15.269,5.094 J2D.35@15.275,5.1
C7: J2D.34 R2.1 U1.E4 U2D.B4 U6D.13 U7D.C1 | length 44.8
  Top Layer w0.1: v1(7.674,8.663) 7.674,8.7 7.573,8.801 7.573,9.542 7.869,9.838 7.869,10.189 7.7,10.358 v2(7.7,10.6) ; v2(13.214,1.77) 13.214,1.715 13.26,1.67 13.26,1.534 U7D.C1@13.273,1.52 ; v2(13.5,7.898) v2(13.5,7.898) ; v1@15.441,4.741 15.45,4.741 15.513,4.678 v1(15.567,4.678) ; v1@15.567,4.655 15.617,4.655 15.709,4.563 16.663,4.563 16.85,4.75 v1(16.85,5.05)
  Top Layer w0.15: U6D.13@7.133,10.6 v2(7.7,10.6)
  Int1 (Sign) w0.1: v1(7.674,8.663) 8.137,8.663 8.4,8.4 8.4,8.198 8.686,7.912 8.769,7.912 9.174,8.317 9.174,8.874 9.8,9.5 12.125,9.5 12.394,9.231 12.394,8.815 13.272,7.937 13.462,7.937 v2(13.5,7.898) ; v2(7.7,10.6) 7.986,10.886 7.986,11.131 7.977,11.141 7.977,11.37 8.329,11.721 9.159,11.721 9.321,11.559 9.321,10.632 9.483,10.47 10.054,10.47 11.742,12.158 14.679,12.158 15.685,11.151 15.685,10.238 16.147,9.776 16.147,9.065 16.295,8.916 16.295,8.645 16.295,8.116 16.672,7.74 16.672,6.609 16.823,6.458 16.823,5.823 16.752,5.751 16.752,5.298 16.812,5.239 16.812,5.088 v1(16.85,5.05) ; v1(8.953,3.723) 8.953,3.356 9.5,2.809 9.5,2.584 9.883,2.201 10.057,2.201 10.085,2.229 10.315,2.229 10.476,2.068 10.476,2.038 10.504,2.01 10.504,1.096 ; v2@10.232,0.949 10.286,0.949 10.386,1.049 10.458,1.049 10.504,1.096 ; v2(13.214,1.77) 13.062,1.922 12.872,1.922 12.868,1.926 12.401,1.926 11.997,1.522 11.031,1.522 10.604,1.096 10.504,1.096
  Int4 (Sign) w0.1: v1(7.674,8.663) 7.674,8.655 7.558,8.54 7.5,8.54 7.381,8.42 6.977,8.42 6.443,7.886 6.443,5.672 7.769,4.345 8.492,4.345 8.914,3.922 8.914,3.761 v1(8.953,3.723)
  other v2: 10.238,0.991
C8: J2D.32 R1.2 U1.K2 U2D.A3 U6D.14 U7D.B1 | length 70.8
  Top Layer w0.1: R1.2@10.233,0.444 10.233,0.494 10.308,0.569 R1.2@10.339,0.569 ; v1(10.35,0.59) 10.515,0.754 10.515,2.572 10.478,2.608 10.478,2.792 10.683,2.996 10.683,3.033 U1.K2@10.7,3.05 10.828,2.922 11.142,2.922 11.29,2.773 11.29,2.518 11.349,2.459 11.923,2.459 11.995,2.387 13.77,2.387 13.934,2.223 13.934,1.769 13.685,1.52 U7D.B1@13.673,1.52 ; v2(15.398,5.115) 15.82,5.536 16.598,5.536 16.684,5.451 16.99,5.451 v2(17.029,5.413)
  Top Layer w0.15: U6D.14@7.133,11.1 v2(7.698,11.1)
  Int1 (Sign) w0.1: v2(7.698,11.1) 7.708,11.109 7.708,11.708 7.974,11.974 8.933,11.974 9.309,12.35 14.847,12.35 15.297,11.9 16,11.9 15.92,11.82 15.92,10.969 16.37,10.519 16.37,9.923 16.324,9.877 16.324,9.138 16.472,8.989 16.472,8.189 16.871,7.79 16.871,6.66 17.029,6.502 v2(17.029,5.413) ; v2(13.122,7.467) 13.13,7.46 13.13,6.643 13.671,6.101 14.412,6.101 v2(15.398,5.115) ; v2@15.4,5.079 v2@15.494,5.079
  Int3 (PWR) w0.1: v1(8.402,12.25) 7.982,12.25 7.982,11.7 7.213,10.931 5.678,10.931 5.1,10.353 5.1,2.8 5.603,2.297 6.897,2.297 7.9,3.3 8.949,3.3 9.4,2.849 9.4,2.2 9.924,1.677 9.924,1.016 v1(10.35,0.59)
  Int4 (Sign) w0.1: v1(8.402,12.25) 9.385,12.25 9.485,12.35 11.963,12.35 12.189,12.123 13.725,12.123 14.06,11.788 14.06,11.734 14.21,11.584 14.44,11.584 14.601,11.746 14.601,11.759 14.868,12.025 15.172,12.025 15.224,11.974 15.453,11.974 15.505,12.025 v1(16.125,12.025) 16.379,12.025 16.721,11.682 16.721,11.155 16.247,10.681 15.979,10.681 15.426,10.128 13.601,10.128 13.477,10.004 13.477,9.709 13.878,9.309 ; 13.878,9.308 13.976,9.21 13.976,9.079 14.34,8.715 15.25,8.715 15.717,8.247 15.717,4.919 15.843,4.793 15.843,4.564 15.79,4.51 15.79,4.452 15.641,4.303 15.641,3.929 v3(15.612,3.9)
C9: J2D.31 U1.L12 | length 7.6
  Top Layer w0.1: U1.L12@11.05,6.55 11.05,6.573 11.324,6.847 v1(11.324,6.87)
  Int4 (Sign) w0.1: v1(11.324,6.87) 11.54,6.654 11.54,6.591 11.806,6.325 13.553,6.325 13.554,6.324 14.417,6.324 14.707,6.034 14.707,5.662 14.857,5.512 14.857,3.86 14.725,3.728 14.718,3.728 14.636,3.646 v3(14.582,3.646)
  Bottom Layer w0.22: v3(14.582,3.646) 14.603,3.646 14.749,3.5 J2D.31@15.275,3.5
C10: J2D.30 U1.J8 | length 7.9
  Top Layer w0.1: v1(10.027,4.902) 10.077,4.902 10.326,5.15 U1.J8@10.35,5.15
  Int4 (Sign) w0.1: v1(10.027,4.902) 11.316,4.902 13.04,3.177 14.664,3.177 14.877,2.963 14.877,2.697 15.096,2.479 15.325,2.479 15.487,2.641 15.487,3.092 v3(15.521,3.125)
  Bottom Layer w0.1: J2D.30@15.275,3.1 15.5,3.1 15.521,3.121 v3(15.521,3.125)
C11: J2D.29 U1.J9 | length 7.8
  Top Layer w0.1: v1(9.491,5.527) 9.504,5.513 10.337,5.513 U1.J9@10.35,5.5
  Int4 (Sign) w0.1: v1(9.491,5.527) 9.84,5.178 11.289,5.178 13.097,3.37 14.72,3.37 15.054,3.036 15.054,2.966 15.211,2.809 v3(15.211,2.755)
C12: J2D.28 JP1.2 U1.J7 | length 6.2
  Top Layer w0.1: U1.J7@10.35,4.8 v2(10.379,4.771)
  Int1 (Sign) w0.1: v2(10.379,4.771) 11.123,4.771 11.322,4.572 11.322,4.504 v1(11.535,4.291)
  Int4 (Sign) w0.1: v1(11.535,4.291) 12.926,2.9 v3(14.55,2.9)
  Bottom Layer w0.1: v3(14.55,2.9) 14.588,2.862 14.588,2.581 J2D.28@14.807,2.361 ; J2D.28@14.807,2.36 14.867,2.3 J2D.28@15.275,2.3
C13: J2D.27 U1.G3 | length 7.4
  Top Layer w0.1: U1.G3@9.65,3.4 9.654,3.396 9.66,3.396 v2(9.662,3.395)
  Int1 (Sign) w0.1: v2(9.662,3.395) 9.7,3.356 9.7,3.256 9.72,3.236 9.72,2.614 9.929,2.405 10.011,2.405 10.012,2.406 10.388,2.406 10.653,2.141 10.653,2.113 11.036,1.729 11.578,1.729 11.795,1.946 v1(11.795,1.953)
  Int4 (Sign) w0.1: v1(11.795,1.953) 11.847,2.005 12.144,2.005 ; 12.145,2.006 12.294,2.006 ; 12.294,2.006 12.722,2.006 12.902,1.826 15.261,1.826 15.334,1.899 15.599,1.899 v3(15.637,1.937)
C14: J2D.26 U1.E2 | length 7.5
  Top Layer w0.1: v1(8.906,2.952) 8.95,2.996 U1.E2@8.95,3.05
  Int4 (Sign) w0.1: v1(8.906,2.952) 8.923,2.968 9.906,2.968 11.225,1.65 14.525,1.65 14.614,1.561 v3(15.656,1.561)
  Bottom Layer w0.1: v3(15.656,1.561) 15.669,1.561 J2D.26@15.682,1.574